# Altium PCB uz_mz_adapter.PcbDoc (part 1 of 2) (continued)
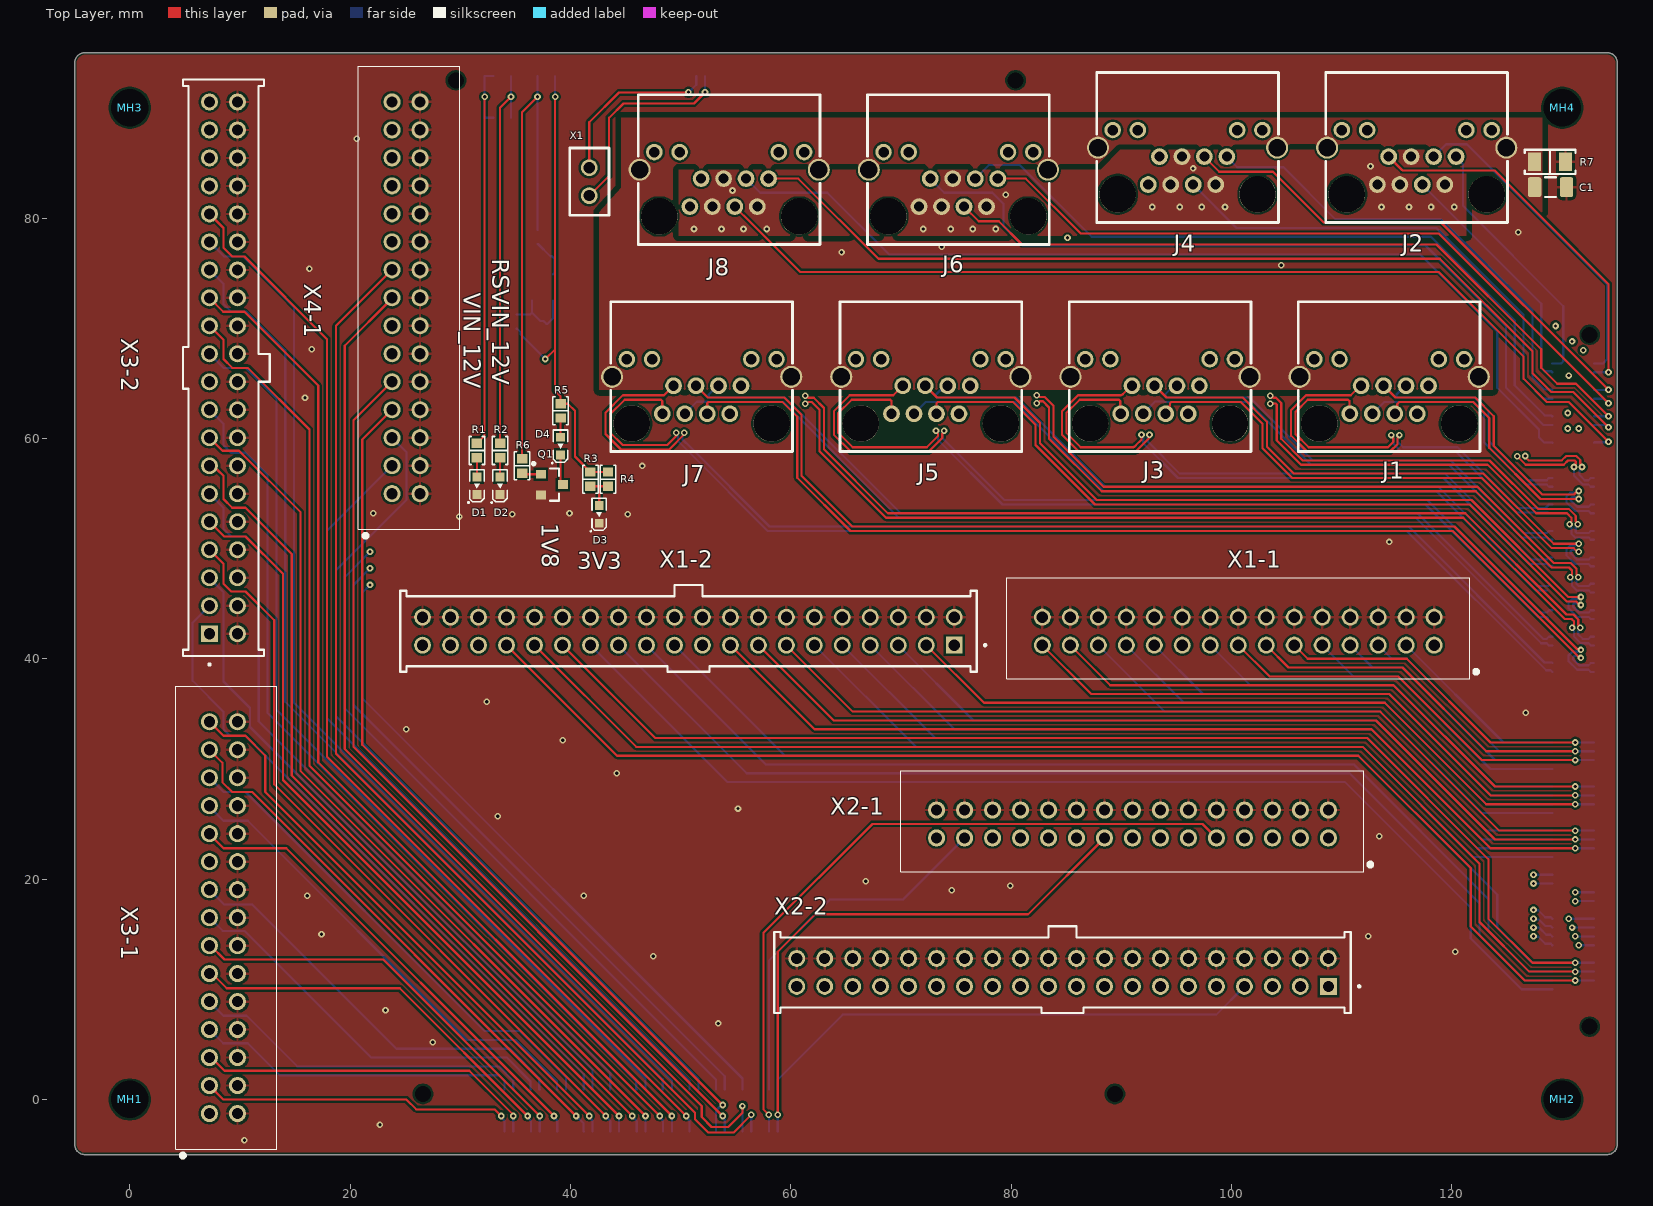
[diagram p0: Top Layer view]
## Design rules (kind name [scope] priority, off if disabled: settings) (continued)
RoutingCorners [All] p1: cornerstyle=Round minsetback=2.54 maxsetback=2.54
RoutingVias [All] p1: holewidth=0.5 width=1 viastyle="Through Hole" minholewidth=0.2 minwidth=0.45 maxholewidth=1 maxwidth=2
SilkToSilkClearance [All] p1: silktosilkclearance=0.1
SilkToSolderMaskClearance [IsPad] p1: minsilkscreentomaskgap=0.15 clearancetoexposedcopper=TRUE
SolderMaskExpansion SolderMaskExpansion_Via [IsVia] p1: expansion=0.102 istentingtop=TRUE
SolderMaskExpansion [All] p2: expansion=0.102 istentingtop=FALSE
SupplyNets "Schematic Supply Nets_2" [InNet('24V_unused2')] p1: voltage=0.000
SupplyNets "Schematic Supply Nets_1" [InNet('3V3_unused1')] p2: voltage=0.000
SupplyNets "Schematic Supply Nets" [InNet('3V3_unused2')] p3: voltage=0.000
SupplyNets "Schematic Supply Nets_30" [InNet('5V_unused1')] p4: voltage=0.000
SupplyNets "Schematic Supply Nets_29" [InNet('24V_unused3')] p5: voltage=0.000
SupplyNets "Schematic Supply Nets_28" [InNet('24V_unused6')] p6: voltage=0.000
SupplyNets "Schematic Supply Nets_27" [InNet('24V_unused4')] p7: voltage=0.000
SupplyNets "Schematic Supply Nets_26" [InNet('24V_unused7')] p8: voltage=0.000
SupplyNets "Schematic Supply Nets_24" [InNet('24V_unused5')] p9: voltage=0.000
SupplyNets "Schematic Supply Nets_23" [InNet('5V_unused3')] p10: voltage=0.000
SupplyNets "Schematic Supply Nets_22" [InNet('24V_unused1')] p11: voltage=0.000
SupplyNets "Schematic Supply Nets_15" [InNet('GND-ETH')] p12: voltage=0.000
SupplyNets "Schematic Supply Nets_11" [InNet('5V_unused2')] p13: voltage=0.000
SupplyNets "Schematic Supply Nets_21" [InNet('1V8')] p14: voltage=0.000
SupplyNets "Schematic Supply Nets_19" [InNet('3V3')] p15: voltage=0.000
SupplyNets "Schematic Supply Nets_18" [InNet('RSVIN_12V')] p16: voltage=0.000
SupplyNets "Schematic Supply Nets_17" [InNet('GND')] p17: voltage=0.000
SupplyNets "Schematic Supply Nets_5" [InNet('VIN_12V')] p18: voltage=0.000
SupplyNets "Schematic Supply Nets_3" [InNet('AGND')] p19: voltage=0.000
UnRoutedNet [All] p1: checkbadconnections=TRUE
Width [All] p1: maxlimit=2.54 minlimit=0.089 preferedwidth=0.2 minimp=50.000000 maximp=50.000000 favimp=50.000000
22 further rules are at their usual default settings.

## Classes and differential pairs
component class LDO: B2 C5 C6 Z6 Z7
component class ZB3: X2-1 X2-2 X3-1 X3-2 X4-1 Z3
component class ZB2: C1 J1 J2 J3 J4 J5 J6 J7 J8 R7 X1-1 X1-2 Z2
component class ZB1: D1 D2 D3 D4 MH1 MH2 MH3 MH4 Q1 R1 R2 R3 R4 R5 R6 X1 Z1
differential pair AI: +AI_P1 -AI_N1
differential pair AI: +AI_P10 -AI_N10
differential pair AI: +AI_P12 -AI_N12
differential pair AI: +AI_P14 -AI_N14
differential pair AI: +AI_P16 -AI_N16
differential pair AI: +AI_P15 -AI_N15
differential pair AI: +AI_P13 -AI_N13
differential pair AI: +AI_P11 -AI_N11
differential pair AI: +AI_P9 -AI_N9
differential pair AI: +AI_P4 -AI_N4
differential pair AI: +AI_P5 -AI_N5
differential pair AI: +AI_P6 -AI_N6
differential pair AI: +AI_P8 -AI_N8
differential pair AI: +AI_P7 -AI_N7
differential pair AI: +AI_P3 -AI_N3
differential pair AI: +AI_P2 -AI_N2

## Components (designator, comment, footprint, x,y, rotation, side; value= is the part's Value field where it differs from the comment)
B2 "1.8 V" SOT23-5_L 37.45,73.7 r90 bottom
C1 "100 pF" C_1206_TE 128.95,82.8 r90 top
C5 "1 µF" C_0603 37.8,69.7 r90 bottom
C6 "10 u" C_0603_TE 37.8,76.2 r90 bottom
D1 "150060BS84000" WL-SMCW_0603 31.5,55.7 r90 top
D2 "NCD0603W1" WL-SMCW_0603 33.6,55.7 r90 top
D3 "FC-DA1608HOK-600H" WL-SMCW_0603 42.6,53.1 r90 top
D4 "150060YS75000" WL-SMCW_0603 39.1,59.3 r90 top value="LED Yellow"
J1 "RJHSE-3381" RJ45-TH_RJHSE-3381 114.3,65.6 r0 top locked
J2 "RJHSE-3381" RJ45-TH_RJHSE-3381 116.8,86.4 r0 top locked
J3 "RJHSE-3381" RJ45-TH_RJHSE-3381 93.505,65.6 r0 top locked
J4 "RJHSE-3381" RJ45-TH_RJHSE-3381 96,86.4 r0 top locked
J5 "RJHSE-3381" RJ45-TH_RJHSE-3381 72.7,65.6 r0 top locked
J6 "RJHSE-3381" RJ45-TH_RJHSE-3381 75.2,84.4 r0 top locked
J7 "RJHSE-3381" RJ45-TH_RJHSE-3381 51.9,65.6 r0 top locked
J8 "RJHSE-3381" RJ45-TH_RJHSE-3381 54.4,84.4 r0 top locked
MH1 "Mounting Hole M3" MH_3.4 0,0 r90 top locked value="Mounting Hole"
MH2 "Mounting Hole M3" MH_3.4 130,0 r90 top locked value="Mounting Hole"
MH3 "Mounting Hole M3" MH_3.4 0,90 r90 top locked value="Mounting Hole"
MH4 "Mounting Hole M3" MH_3.4 130,90 r90 top locked value="Mounting Hole"
Q1 "SBC846BLT3G" SOT-23-3_ONSC 38.3,55.8 r0 top value="65 V"
R1 "4k3" "RES 0603_1608" 31.5,58.9 r90 top
R2 "20k" "RES 0603_1608" 33.6,58.9 r90 top
R3 "1k" "RES 0603_1608" 41.8,56.3 r90 top
R4 "1k" "RES 0603_1608" 43.4,56.3 r90 top
R5 "470R" "RES 0603_1608" 39.1,62.5 r90 top
R6 "4k3" "RES 0603_1608" 35.6,57.5 r90 top
R7 "1M" "RES 1206_3216" 128.9,85.1 r0 top
X1 "TSW-102-07-L-S" TSW-102-XX-XXX-S 41.7,83.3 r270 top
X1-1 "IPL1-115-01-L-D-K" IPL1-115-01-YYY-D-K 100.6,42.5 r180 top locked
X1-2 "IPL1-120-01-L-D-K" SAMTEC_IPL1-120-01-X-D-K 50.7,42.5 r180 top locked
X2-1 "IPL1-115-01-L-D-K" IPL1-115-01-YYY-D-K 91,25 r180 top locked
X2-2 "IPL1-120-01-L-D-K" SAMTEC_IPL1-120-01-X-D-K 84.65,11.53 r180 top locked
X3-1 "IPL1-115-01-L-D-K" IPL1-115-01-YYY-D-K 8.5,16.5 r90 top locked
X3-2 "IPL1-120-01-L-D-K" SAMTEC_IPL1-120-01-X-D-K 8.5,66.4 r90 top locked
X4-1 "IPL1-115-01-L-D-K" IPL1-115-01-YYY-D-K 25.07,72.76 r90 top locked
Z1 "ERM8-060-02.0-L-DV-TR" ERM8-060-02.0-L-DV 55,91 r0 bottom locked
Z2 "ERM8-075-02.0-L-DV-TR" ERM8-075-02.0-L-DV 131,38 r270 bottom locked
Z3 "ERM8-075-02.0-L-DV-TR" ERM8-075-02.0-L-DV 58,-1 r0 bottom locked
Z6 "0R" "RES 0603_1608" 35.1,70.6 r270 bottom
Z7 "0R" "RES 0603_1608" 37,78.3 r270 bottom

## Footprints (in the part's own frame and the unit in brackets; to place one, negate y for a bottom-side part, rotate by r counter-clockwise, add the part's x,y. Pads: shape width x height; smd on the part's side, far side on the other; paste and mask are expansions set on the pad)
C_0603 [mm] "Chip Capacitor, Body 1.6x0.8mm, Height 1.0mm, IPC High Density"
  rect 0.7x0.9 smd: 1(-0.7,0) 2(0.7,0)
  silkscreen extent -0.05,-0.35 0.05,0.35, body extent -0.87,-0.47 0.88,0.48, height 1
C_0603_TE [mm] "Vishay VJ0603 1.6 x 0.8 (+0.15/-0.1) 0.4 +/- 0,15mm Kontakte"
  rrect33% 0.88x0.71 smd: 1(0,0.77) 2(0,-0.77)
  body extent -0.4,-0.8 0.4,0.8, height 1
C_1206_TE [mm]
  rrect33% 1.82x1.21 smd: 1(0,1.45) 2(0,-1.45)
  silkscreen extent -0.9,-0.5 0.9,0.5, body extent -0.81,-1.6 0.81,1.6, height 1.82
ERM8-060-02.0-L-DV [mm]
  rrect33% 0.5x1.1 smd: 1(-23.6,1.9) 2(-23.6,-1.9) 3(-22.8,1.9) 4(-22.8,-1.9) 5(-22,1.9) 6(-22,-1.9) 7(-21.2,1.9) 8(-21.2,-1.9) 9(-20.4,1.9) 10(-20.4,-1.9) 11(-19.6,1.9) 12(-19.6,-1.9) 13(-18.8,1.9) 14(-18.8,-1.9) 15(-18,1.9) 16(-18,-1.9) 17(-17.2,1.9) 18(-17.2,-1.9) 19(-16.4,1.9) 20(-16.4,-1.9) 21(-15.6,1.9) 22(-15.6,-1.9) 23(-14.8,1.9) 24(-14.8,-1.9) 25(-14,1.9) 26(-14,-1.9) 27(-13.2,1.9) 28(-13.2,-1.9) 29(-12.4,1.9) 30(-12.4,-1.9) 31(-11.6,1.9) 32(-11.6,-1.9) 33(-10.8,1.9) 34(-10.8,-1.9) 35(-10,1.9) 36(-10,-1.9) 37(-9.2,1.9) 38(-9.2,-1.9) 39(-8.4,1.9) 40(-8.4,-1.9) 41(-7.6,1.9) 42(-7.6,-1.9) 43(-6.8,1.9) 44(-6.8,-1.9) 45(-6,1.9) 46(-6,-1.9) 47(-5.2,1.9) 48(-5.2,-1.9) 49(-4.4,1.9) 50(-4.4,-1.9) 51(-3.6,1.9) 52(-3.6,-1.9) 53(-2.8,1.9) 54(-2.8,-1.9) 55(-2,1.9) 56(-2,-1.9) 57(-1.2,1.9) 58(-1.2,-1.9) 59(-0.4,1.9) 60(-0.4,-1.9) 61(0.4,1.9) 62(0.4,-1.9) 63(1.2,1.9) 64(1.2,-1.9) 65(2,1.9) 66(2,-1.9) 67(2.8,1.9) 68(2.8,-1.9) 69(3.6,1.9) 70(3.6,-1.9) 71(4.4,1.9) 72(4.4,-1.9) 73(5.2,1.9) 74(5.2,-1.9) 75(6,1.9) 76(6,-1.9) 77(6.8,1.9) 78(6.8,-1.9) 79(7.6,1.9) 80(7.6,-1.9) 81(8.4,1.9) 82(8.4,-1.9) 83(9.2,1.9) 84(9.2,-1.9) 85(10,1.9) 86(10,-1.9) 87(10.8,1.9) 88(10.8,-1.9) 89(11.6,1.9) 90(11.6,-1.9) 91(12.4,1.9) 92(12.4,-1.9) 93(13.2,1.9) 94(13.2,-1.9) 95(14,1.9) 96(14,-1.9) 97(14.8,1.9) 98(14.8,-1.9) 99(15.6,1.9) 100(15.6,-1.9) 101(16.4,1.9) 102(16.4,-1.9) 103(17.2,1.9) 104(17.2,-1.9) 105(18,1.9) 106(18,-1.9) 107(18.8,1.9) 108(18.8,-1.9) 109(19.6,1.9) 110(19.6,-1.9) 111(20.4,1.9) 112(20.4,-1.9) 113(21.2,1.9) 114(21.2,-1.9) 115(22,1.9) 116(22,-1.9) 117(22.8,1.9) 118(22.8,-1.9) 119(23.6,1.9) 120(23.6,-1.9)
  round 0 hole 1.45 unplated: H1(-25.4,-1.5) H2(25.4,-1.5)
  silkscreen extent -27,-2.8 27,3.5, body extent -27,-2.8 27,2.8, height 5.96
ERM8-075-02.0-L-DV [mm]
  rrect33% 0.5x1.1 smd: 1(-29.6,1.9) 2(-29.6,-1.9) 3(-28.8,1.9) 4(-28.8,-1.9) 5(-28,1.9) 6(-28,-1.9) 7(-27.2,1.9) 8(-27.2,-1.9) 9(-26.4,1.9) 10(-26.4,-1.9) 11(-25.6,1.9) 12(-25.6,-1.9) 13(-24.8,1.9) 14(-24.8,-1.9) 15(-24,1.9) 16(-24,-1.9) 17(-23.2,1.9) 18(-23.2,-1.9) 19(-22.4,1.9) 20(-22.4,-1.9) 21(-21.6,1.9) 22(-21.6,-1.9) 23(-20.8,1.9) 24(-20.8,-1.9) 25(-20,1.9) 26(-20,-1.9) 27(-19.2,1.9) 28(-19.2,-1.9) 29(-18.4,1.9) 30(-18.4,-1.9) 31(-17.6,1.9) 32(-17.6,-1.9) 33(-16.8,1.9) 34(-16.8,-1.9) 35(-16,1.9) 36(-16,-1.9) 37(-15.2,1.9) 38(-15.2,-1.9) 39(-14.4,1.9) 40(-14.4,-1.9) 41(-13.6,1.9) 42(-13.6,-1.9) 43(-12.8,1.9) 44(-12.8,-1.9) 45(-12,1.9) 46(-12,-1.9) 47(-11.2,1.9) 48(-11.2,-1.9) 49(-10.4,1.9) 50(-10.4,-1.9) 51(-9.6,1.9) 52(-9.6,-1.9) 53(-8.8,1.9) 54(-8.8,-1.9) 55(-8,1.9) 56(-8,-1.9) 57(-7.2,1.9) 58(-7.2,-1.9) 59(-6.4,1.9) 60(-6.4,-1.9) 61(-5.6,1.9) 62(-5.6,-1.9) 63(-4.8,1.9) 64(-4.8,-1.9) 65(-4,1.9) 66(-4,-1.9) 67(-3.2,1.9) 68(-3.2,-1.9) 69(-2.4,1.9) 70(-2.4,-1.9) 71(-1.6,1.9) 72(-1.6,-1.9) 73(-0.8,1.9) 74(-0.8,-1.9) 75(0,1.9) 76(0,-1.9) 77(0.8,1.9) 78(0.8,-1.9) 79(1.6,1.9) 80(1.6,-1.9) 81(2.4,1.9) 82(2.4,-1.9) 83(3.2,1.9) 84(3.2,-1.9) 85(4,1.9) 86(4,-1.9) 87(4.8,1.9) 88(4.8,-1.9) 89(5.6,1.9) 90(5.6,-1.9) 91(6.4,1.9) 92(6.4,-1.9) 93(7.2,1.9) 94(7.2,-1.9) 95(8,1.9) 96(8,-1.9) 97(8.8,1.9) 98(8.8,-1.9) 99(9.6,1.9) 100(9.6,-1.9) 101(10.4,1.9) 102(10.4,-1.9) 103(11.2,1.9) 104(11.2,-1.9) 105(12,1.9) 106(12,-1.9) 107(12.8,1.9) 108(12.8,-1.9) 109(13.6,1.9) 110(13.6,-1.9) 111(14.4,1.9) 112(14.4,-1.9) 113(15.2,1.9) 114(15.2,-1.9) 115(16,1.9) 116(16,-1.9) 117(16.8,1.9) 118(16.8,-1.9) 119(17.6,1.9) 120(17.6,-1.9) 121(18.4,1.9) 122(18.4,-1.9) 123(19.2,1.9) 124(19.2,-1.9) 125(20,1.9) 126(20,-1.9) 127(20.8,1.9) 128(20.8,-1.9) 129(21.6,1.9) 130(21.6,-1.9) 131(22.4,1.9) 132(22.4,-1.9) 133(23.2,1.9) 134(23.2,-1.9) 135(24,1.9) 136(24,-1.9) 137(24.8,1.9) 138(24.8,-1.9) 139(25.6,1.9) 140(25.6,-1.9) 141(26.4,1.9) 142(26.4,-1.9) 143(27.2,1.9) 144(27.2,-1.9) 145(28,1.9) 146(28,-1.9) 147(28.8,1.9) 148(28.8,-1.9) 149(29.6,1.9) 150(29.6,-1.9)
  round 0 hole 1.45 unplated: H1(-31.4,-1.5) H2(31.4,-1.5)
  silkscreen extent -33,-2.8 33,3.25, body extent -33,-2.8 33,2.8, height 5.96
IPL1-115-01-YYY-D-K [mm]
  round 1.55 hole 1.02: 1(-17.78,1.27) 2(-15.24,1.27) 3(-12.7,1.27) 4(-10.16,1.27) 5(-7.62,1.27) 6(-5.08,1.27) 7(-2.54,1.27) 8(0,1.27) 9(2.54,1.27) 10(5.08,1.27) 11(7.62,1.27) 12(10.16,1.27) 13(12.7,1.27) 14(15.24,1.27) 15(17.78,1.27) 16(-17.78,-1.27) 17(-15.24,-1.27) 18(-12.7,-1.27) 19(-10.16,-1.27) 20(-7.62,-1.27) 21(-5.08,-1.27) 22(-2.54,-1.27) 23(0,-1.27) 24(2.54,-1.27) 25(5.08,-1.27) 26(7.62,-1.27) 27(10.16,-1.27) 28(12.7,-1.27) 29(15.24,-1.27) 30(17.78,-1.27)
  silkscreen extent -21.69,-4.85 21.01,4.32, body extent -19.81,-4.19 19.81,3.68, height 8.13
MH_3.4 [mm]
  round 3.1 hole 3.4 unplated: 1(0,0)
"RES 0603_1608" [mm] "Chip Resistor, 2-Leads, Body 1.60x0.80mm, IPC Medium Density"
  rect 0.85x0.95 smd: 1(-0.65,0) 2(0.65,0)
  silkscreen extent -1.27,-0.7 1.27,0.7, body extent -0.8,-0.4 0.8,0.4, height 0.45
"RES 1206_3216" [mm] "Chip Resistor, 2-Leads, Body 3.13x1.55mm, IPC Medium Density"
  rect 1.2x1.65 smd: 1(-1.4,0) 2(1.4,0)
  silkscreen extent -2.3,-1.1 2.3,1.1, body extent -1.6,-0.8 1.6,0.8, height 0.6
RJ45-TH_RJHSE-3381 [mm]
  round 1.524 hole 0.914 paste-2539.97 mask+0.05: 1(3.57,-0.825) 2(2.55,-3.365) 3(1.53,-0.825) 4(0.51,-3.365) 5(-0.51,-0.825) 6(-1.53,-3.365) 7(-2.55,-0.825) 8(-3.57,-3.365)
  round 1.5 hole 0.95 paste-2539.97 mask+0.05: 9(6.795,1.585) 10(4.505,1.585) 11(-4.505,1.585) 12(-6.795,1.585)
  round 2 hole 1.6 paste-2539.97 mask+0.05: Shell(-8.13,-0.015) Shell(8.13,-0.015)
  round 3.3 hole 3.3 unplated paste-2539.97: ""(-6.35,-4.255) ""(6.35,-4.255)
  silkscreen extent -8.25,-6.79 8.25,6.79
SAMTEC_IPL1-120-01-X-D-K [mm]
  rect 1.53x1.53 hole 1.02: 1(-24.13,1.27)
  round 1.53 hole 1.02: 2(-21.59,1.27) 3(-19.05,1.27) 4(-16.51,1.27) 5(-13.97,1.27) 6(-11.43,1.27) 7(-8.89,1.27) 8(-6.35,1.27) 9(-3.81,1.27) 10(-1.27,1.27) 11(1.27,1.27) 12(3.81,1.27) 13(6.35,1.27) 14(8.89,1.27) 15(11.43,1.27) 16(13.97,1.27) 17(16.51,1.27) 18(19.05,1.27) 19(21.59,1.27) 20(24.13,1.27) 21(-24.13,-1.27) 22(-21.59,-1.27) 23(-19.05,-1.27) 24(-16.51,-1.27) 25(-13.97,-1.27) 26(-11.43,-1.27) 27(-8.89,-1.27) 28(-6.35,-1.27) 29(-3.81,-1.27) 30(-1.27,-1.27) 31(1.27,-1.27) 32(3.81,-1.27) 33(6.35,-1.27) 34(8.89,-1.27) 35(11.43,-1.27) 36(13.97,-1.27) 37(16.51,-1.27) 38(19.05,-1.27) 39(21.59,-1.27) 40(24.13,-1.27)
  silkscreen extent -27.02,-4.2 26.16,3.67, body extent -26.16,-4.19 26.16,3.68, height 8.13
SOT23-5_L [mm] "SOT23, 5-Leads, Body 2.9x1.6mm, Pitch 0.95mm, Lead Span 2.8mm, IPC High Density"
  rect 0.9x0.65 smd: 1(-1.2,0.95) 2(-1.2,0) 3(-1.2,-0.95) 4(1.2,-0.95) 5(1.2,0.95)
  silkscreen extent -1.32,-1.5 0.35,1.95, body extent -0.87,-1.5 0.87,1.5, height 1.45
SOT-23-3_ONSC [mm] "SOT23, 3-Leads, Body 2.92x1.3mm, Pitch 0.95mm"
  rect 0.9x0.8 smd: 1(-1,0.95) 2(-1,-0.95) 3(1,0)
  silkscreen extent -1.77,-1.46 0.65,2.03, body extent -0.65,-1.46 0.65,1.46, height 1.11
TSW-102-XX-XXX-S [mil]
  round 60 hole 40 mask+3: 1(-50,0) 2(50,0)
  silkscreen extent -120,-70 120,70, body extent -105,-50 100,50, height 330
WL-SMCW_0603 [mm] "SMD Mono-color Chip LED, body 1.6x0.8mm"
  rect 0.8x0.8 smd: 1(-0.8,0) 2(0.8,0)
  silkscreen extent -1.59,-0.65 1.45,0.83, body extent -0.8,-0.4 0.8,0.4, height 0.7

## Part data
B2: library part TPS7A2018PDBVR, "300mA, ultra-low noise, LDO, 1V6 < Vin < 6V, 0.8V < Vout < 5V5", Device Package=SOT-23-5L, LCSC Part Number=C963430, Manufacturer="Texas Instruments", Mouser Part Number=595-TPS7A2018PDBVR, Operating Temperature="-40 to +125 °C", Component Type=LDO, ComponentLink1Description=Datasheet, ComponentLink1URL=https://www.ti.com/lit/ds/symlink/tps7a20.pdf, Created from=RWeimer, Created On="29.05.2026 15:18:52", Datasheet Link=https://datasheet.datasheetarchive.com/originals/distributors/Datasheets_SAMA/e65d9d311cedf91014769949f3101225.pdf, Geometry.Height=1.45mm, Last Updated="29.05.2026 15:18:52", Live Cycle Status=1, Manufacturer Part Number=TPS7A2018PDBVR, Manufacturer_Name="Texas Instruments", Manufacturer_Part_Number=TPS7A2018PDBVR, Mounting Type=SMD, Mouser Price/Stock=https://www.mouser.co.uk/ProductDetail/Texas-Instruments/TPS7A2018PDBVR?qs=hd1VzrDQEGheW9qdrIVGew%3D%3D, PartID=28, Series=TPS7A20, Stock number="not stored", Supplier 1=Mouser, Supplier 2=LCSC, Supplier Part Number 1=595-TPS7A2018PDBVR, Supplier Part Number 2=C963430, Type=LDO
C1: library part CC1206JKNPODBN101, "2kV 100pF NP0 ±5% 1206 Multilayer Ceramic Capacitors MLCC - SMD/SMT ROHS", Device Package=1206, LCSC Part Number=C113876, Manufacturer=YAGEO, Operating Temperature="-55 to +125°C", Tolerance="5 %", Voltage Rating="2000 VDC", Component Type="Capacitor 1206", ComponentLink1Description=Datasheet, ComponentLink1URL=https://datasheet.lcsc.com/lcsc/2108131530_YAGEO-CC1206JKNPODBN101_C113876.pdf, Created from=AGeiger, Created On="02.12.2022 11:59:53", Last Updated="22.04.2025 15:53:45", Live Cycle Status=1, Manufacturer Part Number=CC1206JKNPODBN101, Mounting Type=SMD, PartID=115, Series=NP0, Supplier 1=LCSC, Supplier Part Number 1=C113876, Type=Capacitor
C5: library part C0603C105K3RAC7411, "Capacitor 0603, 25 VDC, 1 µF, X7R", Device Package=0603, LCSC Part Number=C2177372, Manufacturer=KEMET, Operating Temperature="-55 - 125°C", Supplier Part Number 1=80-C0603C105K3RLR, Tolerance="10 %", Voltage Rating="25 VDC", Component Type="Capacitor 0603", ComponentLink1Description=Datasheet, ComponentLink1URL=https://www.mouser.de/datasheet/2/212/KEM_C1002_X7R_SMD-1102033.pdf, Created from=MGremer, Created On="20.12.2020 13:54:13", Last Updated="03.06.2026 10:02:26", Live Cycle Status=1, Manufacturer Part Number=C0603C105K3RAC7411, Mounting Type=SMD, PartID=4, Series="SMD Comm X7R", Stock number="Labor SMD Container", Supplier 1=Mouser, Supplier 2=LCSC, Supplier Part Number 2=C2177372, Type=Capacitor
C6: library part HGC0603R5106K350NTHJ, "10uF 35V X5R ±10% 0603 Multilayer Ceramic Capacitors MLCC", Device Package=0603, LCSC Part Number=C22367826, Manufacturer=Chinocera, Operating Temperature="-55 to + 85°C", Tolerance="10 %", Voltage Rating="35 V", Component Type="Capacitor 0603", ComponentLink1Description=Datasheet, ComponentLink1URL=https://www.lcsc.com/datasheet/C22367826.pdf, Created from=RWeimer, Created On="22.06.2026 13:41:26", Last Updated="22.06.2026 13:41:26", Live Cycle Status=1, Manufacturer Part Number=HGC0603R5106K350NTHJ, Mounting Type=SMD, PartID=513, Series=X5R, Supplier 1=LCSC, Supplier Part Number 1=C22367826, Type=Capacitor
D1: "WL-SMCW SMD Mono-color Chip LED Waterclear Blue", Color=blue, Device Package=0603, Forward Current I_f="20 mA", Forward Voltage U_f="3.2 V", LCSC Part Number=C5197644, Manufacturer="Wuerth Elektronik", Nominal Power="78 mW", Operating Temperature="-40 - 85 °C", Supplier Part Number 1=710-150060BS84000, Component Type="LED Diode", ComponentLink1Description=Datasheet, ComponentLink1URL=https://www.we-online.com/components/products/datasheet/150060BS75000.pdf, Created from=MGremer, Created On="08.12.2020 10:19:38", Last Updated="22.04.2026 11:55:05", Light Intensity="560 mcd", Live Cycle Status=1, Manufacturer Part Number=150060BS84000, Mounting Type=SMD, PartID=1, Stock number="not stored", Supplier 1=Mouser, Supplier 2=Farnell, Supplier 3=Digi-Key, Supplier Part Number 2=3408611, Supplier Part Number 3=732-150060BS84000CT-ND, Type=Standard, Wavelength="470 nm"
D2: "White light 0603 Light Emitting Diodes (LED) ROHS", Color=white, Device Package=0603, Forward Current I_f="20 mA", Forward Voltage U_f="2.8 V", LCSC Part Number=C84265, Manufacturer="Foshan NationStar Optoelectronics", Nominal Power="72 mW", Operating Temperature="-40 - 85 °C", Component Type="LED Diode", ComponentLink1Description=Datasheet, ComponentLink1URL=https://www.lcsc.com/datasheet/C84265.pdf, Created from=NDiringer, Created On="03.05.2022 13:11:03", Last Updated="22.04.2026 11:55:05", Light Intensity="250 mcd", Live Cycle Status=1, Manufacturer Part Number=NCD0603W1, Mounting Type=SMD, PartID=13, Stock number="not stored", Supplier 1=LCSC, Supplier Part Number 1=C84265, Type=Standard
D3: "LED ORANGE 600~610NM 80~220MCD@20MA TOP VIEW 0603 ROHS", Color=amber, Device Package=0603, Forward Current I_f="20 mA", Forward Voltage U_f="2 V", LCSC Part Number=C84269, Manufacturer="Foshan NationStar Optoelectronics", Nominal Power="40 mW", Operating Temperature="-40 - 85 °C", Component Type="LED Diode", ComponentLink1Description=Datasheet, ComponentLink1URL=https://www.lcsc.com/datasheet/C84269.pdf, Created from="T. Wendt", Created On="03.03.2021 09:59:51", Last Updated="22.04.2026 11:55:05", Light Intensity="150 mcd", Live Cycle Status=1, Manufacturer Part Number=FC-DA1608HOK-600H, Mounting Type=SMD, PartID=10, Stock number="not stored", Supplier 1=LCSC, Supplier Part Number 1=C84269, Type=Standard, Wavelength="604 nm"
D4: "LED Yellow 20mA 2V 0603", Color=yellow, Device Package=0603, Forward Current I_f="20 mA", Forward Voltage U_f="2 V", LCSC Part Number=C6784997, Manufacturer="Wuerth Elektronik", Operating Temperature="-40 to +85 °C", Component Type="LED Diode", ComponentLink1Description=Datasheet, ComponentLink1URL=https://www.we-online.com/components/products/datasheet/150060YS75000.pdf, Created from=RWeimer, Created On="03.06.2026 10:18:01", Last Updated="03.06.2026 10:18:43", Live Cycle Status=1, Manufacturer Part Number=150060YS75000, Mounting Type=SMD, PartID=37, Stock number="not stored", Supplier 1=LCSC, Supplier Part Number 1=C6784997, Type=Standard, Wavelength="590 nm"
J1 J2 J3 J4 J5 J6 J7 J8: "CAT5, RJ45 Connector, 1 port, vertical", Device Package=RJ45, LCSC Part Number=C599439, Manufacturer=Amphenol, Supplier Part Number 1=523-RJHSE-3381, Component Type="RJ45 Connector", ComponentLink1Description=Datasheet, ComponentLink1URL=https://cdn.amphenol-cs.com/media/wysiwyg/files/drawing/rjhse338x.pdf, Created from=RWeimer, Created On="29.07.2026 12:34:57", Last Updated="29.07.2026 12:34:57", Live Cycle Status=1, Manufacturer Part Number=RJHSE-3381, Mounting Type=THT, PartID=14, Series=RJHSE, Stock number="not stored", Supplier 1=Mouser, Supplier 2=LCSC, Supplier Part Number 2=C599439, Type="RJ45 Connector"
MH1 MH2 MH3 MH4: library part "Mounting Hole", "Mounting Hole", Device Package=-, Component Type="Mounting Hole", ComponentLink1Description=Datasheet, Created from=MHlatky, Created On="26.01.2021 09:19:51", Last Updated="21.03.2022 23:05:12", Live Cycle Status=1, Manufacturer="Mounting Hole", Manufacturer Part Number="Mounting Hole M3", PartID=16, Stock number="not stored", Supplier 1="Mounting Hole", Supplier Part Number 1="Mounting Hole", Type="Mounting Hole"
Q1: "Bipolartransistor, NPN 100mA 80V", Collector Basis Voltage="80 V", Collector Emitter Voltage="65 V", Device Package=SOT-23-3, LCSC Part Number=C896883, Manufacturer=onsemi, Operating Temperature="-55 - +150°C", Power Dissipation="225 mW", Supplier Part Number 1=863-SBC846BLT3G, Component Type=Bipolartransistor, ComponentLink1Description=Datasheet, ComponentLink1URL=https://www.lcsc.com/datasheet/C896883.pdf, Created from=RWeimer, Created On="22.06.2026 10:09:39", Last Updated="22.06.2026 10:09:39", Live Cycle Status=1, Manufacturer Part Number=SBC846BLT3G, Mounting Type=SMD, Number of Channels=single, PartID=7, Polarization=NPN, Series=BC846BL, Supplier 1=Mouser, Supplier 2=LCSC, Supplier Part Number 2=C896883, Type=Bipolartransistor
R1 R6: library part RK73B1JTTD432J, "SMD resistor E24 series", Device Package=0603, LCSC Part Number=C307285, Manufacturer="KOA Speer", Supplier Part Number 1=660-RK73B1JTTD432J, Tolerance=5%, Component Type="SMD resistor", ComponentLink1Description=Datasheet, ComponentLink1URL=https://www.mouser.de/datasheet/2/219/RK73B-1825463.pdf, Created from=MGremer, Created On="14.12.2020 16:17:14", Last Updated="10.04.2026 07:56:16", Live Cycle Status=1, Manufacturer Part Number=RK73B1JTTD432J, Mounting Type=SMD, PartID=89, Stock number="Labor SMD Container", Supplier 1=Mouser, Type=Resistor
R2: library part 0603WAF2002T5E, "SMD resistor E24 series", Device Package=0603, LCSC Part Number=C4184, Manufacturer=UNI-ROYAL, Tolerance=1%, Component Type="SMD resistor", ComponentLink1Description=Datasheet, ComponentLink1URL=https://datasheet.lcsc.com/lcsc/2206010230_UNI-ROYAL-Uniroyal-Elec-0603WAF2002T5E_C4184.pdf, Created from=AGeiger, Created On="14.12.2020 16:17:14", Last Updated="25.08.2022 20:05:50", Live Cycle Status=1, Manufacturer Part Number=0603WAF2002T5E, Mounting Type=SMD, PartID=105, Stock number="Labor SMD Container", Supplier 1=LCSC, Supplier Part Number 1=C4184, Type=Resistor
R3 R4: library part 0603WAF1001T5E, "SMD resistor E24 series", Device Package=0603, LCSC Part Number=C21190, Manufacturer=UNI-ROYAL, Tolerance=1%, Component Type="SMD resistor", ComponentLink1Description=Datasheet, ComponentLink1URL=https://datasheet.lcsc.com/lcsc/2206010130_UNI-ROYAL-Uniroyal-Elec-0603WAF1001T5E_C21190.pdf, Created from=AGeiger, Created On="14.12.2020 16:17:14", Last Updated="25.08.2022 16:01:46", Live Cycle Status=1, Manufacturer Part Number=0603WAF1001T5E, Mounting Type=SMD, PartID=74, Stock number="Labor SMD Container", Supplier 1=LCSC, Supplier Part Number 1=C21190, Type=Resistor
R5: library part RK73B1JTTD471J, "SMD resistor E24 series", Device Package=0603, LCSC Part Number=C23179, Manufacturer="KOA Speer", Supplier Part Number 1=660-RK73B1JTTD471J, Tolerance=5%, Component Type="SMD resistor", ComponentLink1Description=Datasheet, ComponentLink1URL=https://www.mouser.de/datasheet/2/219/RK73B-1825463.pdf, Created from=MGremer, Created On="14.12.2020 16:17:14", Last Updated="04.03.2021 10:03:02", Live Cycle Status=1, Manufacturer Part Number=RK73B1JTTD471J, Mounting Type=SMD, PartID=66, Stock number="Labor SMD Container", Supplier 1=Mouser, Supplier 2=LCSC, Supplier Part Number 2=C23179, Type=Resistor
R7: library part 1206W4F1004T5E, "250mW Thick Film Resistors 200V ±100ppm/℃ ±1% -55℃~+155℃ 1MΩ 1206 Chip Resistor - Surface Mount ROHS", Device Package=1206, LCSC Part Number=C17927, Manufacturer=UNI-ROYAL, Tolerance=1%, Component Type="SMD resistor", ComponentLink1Description=Datasheet, ComponentLink1URL=https://datasheet.lcsc.com/lcsc/2206010145_UNI-ROYAL-Uniroyal-Elec-1206W4F1004T5E_C17927.pdf, Created from=AGeiger, Created On="02.12.2022 11:50:50", Last Updated="02.12.2022 11:50:50", Live Cycle Status=1, Manufacturer Part Number=1206W4F1004T5E, Mounting Type=SMD, PartID=248, Supplier 1=LCSC, Supplier Part Number 1=C17927, Type=Resistor
X1: "Classic PCB Header Strips, 0.100\" pitch", LCSC Part Number=C492401, Manufacturer=SAMTEC, Operating Temperature="-55 °C to +105 °C", ComponentLink1Description=Datasheet, ComponentLink1URL=https://suddendocs.samtec.com/catalog_english/tsw_th.pdf, CREATED BY="May 18, 2016 - Wendy Xin", Created from=AGeiger, Created On="26.06.2023 09:51:05", Last Updated="26.06.2023 09:53:59", Manufacturer Part Number=TSW-102-07-L-S, Mounting Type=SMD, PartID=20, PCB DECAL=TSW-102-XX-XXX-S, Series=TSW, Supplier 1=LCSC, Supplier Part Number 1=C492401
X1-1 X2-1 X3-1 X4-1: "2.54 mm Double Row Terminal Assembly", Device Package=Connector, LCSC Part Number=C17431809, Manufacturer=SAMTEC, Component Type="Samtec Connector", ComponentLink1Description=Homepage, ComponentLink1URL=https://www.samtec.com/de/products/ipl1, Created from=MGremer, Created On="01.12.2020 18:14:32", Last Updated="29.07.2026 10:31:31", Live Cycle Status=1, Manufacturer Part Number=IPL1-115-01-L-D-K, Mounting Type=THT, Number of positions=30, Number of rows=2, PartID=28, Stock number="not stored", Supplier 1=SAMTEC, Supplier Part Number 1=IPL1-115-01-L-D-K, Type=Connector
X1-2 X2-2 X3-2: "Terminal Assembly, Double Row, Thru-Hole, 2.54 mm x 2.54 mm Pitch, 40 Pins", Device Package=Connector, LCSC Part Number=C17429670, Manufacturer=SAMTEC, Component Type="Samtec Connector", ComponentLink1Description=Homepage, ComponentLink1URL=https://www.samtec.com/products/ipl1, Created from=PBaumann, Created On="24.03.2021 02:48:34", Last Updated="29.07.2026 10:32:29", Live Cycle Status=1, Manufacturer Part Number=IPL1-120-01-L-D-K, Mounting Type=THT, Number of positions=40, Number of rows=2, PartID=42, Stock number="not stored", Supplier 1=SAMTEC, Supplier Part Number 1=IPL1-120-01-L-D-K, Type=Connector
Z1: "0.80 mm Edge Rate Rugged High Speed", LCSC Part Number=C3649339, Manufacturer=SAMTEC, Operating Temperature="-55 °C to +125 °C", ComponentLink1Description=Datasheet, ComponentLink1URL=https://suddendocs.samtec.com/catalog_english/erm8.pdf, Created from=AGeiger, Created On="15.08.2025 09:35:44", Last Updated="23.09.2025 10:14:21", Manufacturer Part Number=ERM8-060-02.0-L-DV-TR, Mounting Type=SMD, PartID=61, Series=ERM8, Supplier 1=LCSC, Supplier Part Number 1=C3649339
Z2 Z3: "0.80 mm Edge Rate Rugged High Speed", LCSC Part Number=C6845629, Manufacturer=SAMTEC, Operating Temperature="-55 °C to +125 °C", ComponentLink1Description=Datasheet, ComponentLink1URL=https://suddendocs.samtec.com/catalog_english/erm8.pdf, Created from=AGeiger, Created On="15.08.2025 09:35:44", Last Updated="23.09.2025 10:14:21", Manufacturer Part Number=ERM8-075-02.0-L-DV-TR, Mounting Type=SMD, PartID=62, Series=ERM8, Supplier 1=LCSC, Supplier Part Number 1=C6845629
Z6 Z7: library part RC0603JR-070RL, "SMD resistor E24 series", Device Package=0603, LCSC Part Number=C21189, Manufacturer=YAGEO, Supplier Part Number 1=603-RC0603JR-070RL, Tolerance=5%, Component Type="SMD resistor", ComponentLink1Description=Datasheet, ComponentLink1URL=https://www.mouser.de/datasheet/2/447/PYu-RC_Group_51_RoHS_L_10-1664068.pdf, Created from=MGremer, Created On="14.12.2020 16:17:14", Last Updated="04.03.2021 09:09:42", Live Cycle Status=1, Manufacturer Part Number=RC0603JR-070RL, Mounting Type=SMD, PartID=1, Stock number="Labor SMD Container", Supplier 1=Mouser, Supplier 2=LCSC, Supplier Part Number 2=C21189, Type=Resistor

## Via types
v1: diameter 0.6, hole 0.3, Top Layer to Bottom Layer, tented both sides, 157 vias

## Nets (pads, with @x,y where several pads share a name; then routed paths per layer and width w, separated by ;. In a path a pad name is that pad's centre, name@x,y a point inside that pad or via, vN(x,y) a via of type N, cw(c..) or ccw(c..) an arc to the next point about the centre after c; other vN are vias at no path point)
1V8: R6.2 Z1.15 Z1.16 Z7.1 | length 47.5
  Top Layer w0.2: R6.2@35.6,58.15 35.6,89.6 v1(37,91)
  Bottom Layer w0.2: Z1.16@37,92.9 v1(37,91) Z1.15@37,89.1 Z7.1@37,78.95 Z7.1@37.05,78.9
3V3: R3.2 R4.2 R5.2 X3-2.10 Z1.19 Z1.20 Z6.2 | length 92.2
  Top Layer w0.2: v1(37.7,67.2) 38.6,68.1 ; v1(38.6,91) 38.6,68.1 ; R4.2@43.4,56.95 R3.2@41.8,56.95 40.4,58.349 40.4,62.5 39.757,63.143 39.107,63.143 R5.2@39.1,63.15 39.1,63.8 38.6,64.3 38.6,68.1
  Signal w0.381: X3-2.10@7.23,65.13 8.475,66.375 11.575,66.375 18.3,73.1 18.3,79.7 22.8,84.2 31.8,84.2 v1(38.6,91)
  Bottom Layer w0.2: Z6.2@35.1,69.95 35.15,69.95 35.475,69.625 35.475,69.425 v1(37.7,67.2) ; Z1.19@38.6,89.1 v1(38.6,91) Z1.20@38.6,92.9
3V3_unused1: X1-2.10
3V3_unused2: X2-2.10
5V_unused1: X1-2.20
5V_unused2: X2-2.20
5V_unused3: X3-2.20
24V_unused1: X1-1.1
24V_unused2: X1-2.1
24V_unused3: X2-1.1
24V_unused4: X2-2.1
24V_unused5: X3-1.1
24V_unused6: X3-2.1
24V_unused7: X4-1.1
AGND: J2.2 J2.5 J2.6 J2.8 J4.2 J4.5 J4.6 J6.2 J6.5 J6.6 J6.8 J8.2 J8.5 J8.6 Z2.1 Z2.2 Z2.7 Z2.8 Z2.13 Z2.14 Z2.19 Z2.20 Z2.25 Z2.26
  other v1: 130.5,60.9 131.5,60.9 130.5,62.3 130.6,65.7 131.9,68 130.9,68.8 129.4,70.2 51.2,79 53.7,79 55.7,79 57.8,79 72,79 74.5,79 76.5,79 78.6,79 92.8,81 95.3,81 97.3,81 99.4,81 113.6,81 116.1,81 118.1,81 120.2,81 79.5,82.1 54.7,82.5 96.5,84.5 112.6,84.7
AI_N1: J1.2 Z2.32 | length 21.8
  Top Layer w0.2: v1(125.915,58.386) 126.699,57.602 130.136,57.602 130.534,58 131.119,58 131.237,57.883 131.237,57.672 131.073,57.508 v1(131.073,57.4)
  Signal w0.2: J1.2@116.78,62.26 117.92,63.4 121.834,63.4 126.079,59.155 126.079,58.658 125.915,58.494 v1(125.915,58.386)
  Bottom Layer w0.2: v1(131.073,57.4) 131.073,56.611 131.884,55.8 132.4,55.8 132.6,55.6 Z2.32@132.9,55.6
AI_N2: J1.6 Z2.31 | length 21.5
  Bottom Layer w0.2: J1.6@112.77,62.235 113.841,63.306 121.929,63.306 122.9,62.334 122.9,59.634 126.734,55.8 128.084,55.8 128.6,55.8 128.8,55.6 Z2.31@129.1,55.6
AI_N3: J1.5 Z2.38 | length 28.3
  Top Layer w0.2: J1.5@113.79,64.775 114.865,63.7 122.1,63.7 123.79,62.01 123.79,59.31 128.2,54.9 131.065,54.9 131.392,55.227 v1(131.5,55.227)
  Bottom Layer w0.2: v1(131.5,55.227) 131.392,55.227 131.228,55.063 130.734,55.063 130.383,54.712 130.383,54.203 131.186,53.4 132.4,53.4 132.6,53.2 Z2.38@132.9,53.2
AI_N4: J1.8 Z2.37 | length 36.3
  Top Layer w0.2: J1.8@110.69,62.26 110.69,63.396 110.573,63.514 106.914,63.514 105.8,62.4 105.8,60.4 107,59.2 114.2,59.2 114.663,59.664 114.663,60.028 114.5,60.192 v1(114.5,60.3)
  Bottom Layer w0.2: v1(114.5,60.3) 114.5,60.192 114.663,60.028 114.663,59.534 115.398,58.8 116.5,58.8 120.334,58.8 125.851,53.283 Z2.37@128.717,53.283
AI_N5: J3.2 Z2.44 | length 45.5
  Top Layer w0.2: v1(103.5,63.131) 103.608,63.131 103.643,63.166 103.983,63.166 104.1,63.049 104.1,59.8 106.3,57.6 123.234,57.6 127.634,53.2 130.437,53.2 130.837,52.8 130.837,52.472 130.673,52.308 v1(130.673,52.2)
  Signal w0.2: J3.2@96.065,62.26 97.264,63.458 103.065,63.458 103.392,63.131 v1(103.5,63.131)
  Bottom Layer w0.2: v1(130.673,52.2) 130.673,52.092 130.836,51.929 130.836,51.351 131.188,51 132.4,51 132.6,50.8 Z2.44@132.9,50.8
AI_N6: J3.6 Z2.43 | length 42.8
  Bottom Layer w0.2: J3.6@91.92,62.26 91.985,62.26 93.071,63.346 93.897,63.346 93.931,63.312 101.488,63.312 107.2,57.6 119.734,57.6 126.334,51 128.6,51 128.8,50.8 Z2.43@129.1,50.8
AI_N7: J3.5 Z2.50 | length 50.3
  Top Layer w0.2: J3.5@92.985,64.8 94.085,63.7 101,63.7 103.2,61.5 103.2,59.266 105.666,56.8 122.866,56.8 129.228,50.438 v1@131.227,50.438
  Bottom Layer w0.2: v1(131.503,50.431) 131.395,50.431 131.231,50.268 130.734,50.268 130.383,49.916 130.383,49.403 131.186,48.6 132.4,48.6 132.6,48.4 Z2.50@132.9,48.4
AI_N8: J3.8 Z2.49 | length 59
  Top Layer w0.2: J3.8@89.89,62.235 89.89,63.396 89.773,63.514 86.214,63.514 85,62.3 85,60.5 86.3,59.2 91.051,59.2 ccw(c91.051,59.4) 91.193,59.258 91.31,59.375 ; 91.31,59.376 91.817,59.883 v1(91.817,60.323)
  Bottom Layer w0.2: v1(91.817,60.323) 91.817,60.214 91.981,60.051 91.981,59.557 95.137,56.4 119.234,56.4 127.034,48.6 128.6,48.6 128.8,48.4 Z2.49@129.1,48.4
AI_N9: J5.2 Z2.56 | length 68.2
  Top Layer w0.2: v1(82.3,63.2) 82.408,63.2 82.572,63.364 82.871,63.364 83.431,62.803 83.431,59.969 88.2,55.2 122.15,55.2 129.067,48.283 130.617,48.283 130.9,48 130.9,47.672 130.737,47.508 v1(130.737,47.4)
  Signal w0.2: J5.2@75.18,62.26 76.447,63.527 81.865,63.527 82.192,63.2 v1(82.3,63.2)
  Bottom Layer w0.2: v1(130.737,47.4) 130.737,47.292 130.9,47.128 130.9,46.634 131.334,46.2 132.4,46.2 132.6,46 Z2.56@132.9,46
AI_N10: J5.6 Z2.55 | length 64.9
  Bottom Layer w0.2: J5.6@71.195,62.26 72.232,63.297 80.303,63.297 88.4,55.2 118.6,55.2 127.6,46.2 Z2.55@128.6,46.2
AI_N11: J5.5 Z2.62 | length 73.1
  Top Layer w0.2: J5.5@72.165,64.8 73.252,63.713 80.287,63.713 82.6,61.4 82.6,59.566 87.766,54.4 121.766,54.4 130.559,45.607 131.693,45.607 v1(131.7,45.6)
  Bottom Layer w0.2: v1(131.7,45.6) 131.592,45.6 131.428,45.437 130.934,45.437 130.583,45.085 130.583,44.576 131.359,43.8 132.4,43.8 132.6,43.6 Z2.62@132.9,43.6
AI_N12: J5.8 Z2.61 | length 81.9
  Top Layer w0.2: J5.8@69.13,62.235 69.13,63.396 69.013,63.514 65.514,63.514 64.3,62.3 64.3,60.5 65.6,59.2 72.334,59.2 73.337,60.202 73.337,60.428 73.173,60.592 v1(73.173,60.7)
  Bottom Layer w0.2: v1(73.173,60.7) 73.173,60.592 73.337,60.428 73.337,59.863 79.2,54 117.6,54 127.8,43.8 128.6,43.8 Z2.61@128.717,43.683
AI_N13: J7.2 Z2.68 | length 91.4
  Top Layer w0.2: v1(61.3,63.131) 61.408,63.131 61.572,63.295 61.9,63.295 62.6,62.595 62.6,58.834 68.634,52.8 121.034,52.8 130.226,43.609 130.855,43.609 131.064,43.4 131.064,43.072 130.9,42.908 v1(130.9,42.8)
  Signal w0.2: J7.2@54.475,62.26 55.674,63.458 60.865,63.458 61.192,63.131 v1(61.3,63.131)
  Bottom Layer w0.2: v1(130.9,42.8) 130.9,42.692 131.064,42.528 131.064,42.034 131.698,41.4 132.4,41.4 132.6,41.2 Z2.68@132.9,41.2
AI_N14: J7.6 Z2.67 | length 88.3
  Bottom Layer w0.2: J7.6@50.408,62.272 51.466,63.331 52.467,63.331 52.501,63.297 59.303,63.297 69.8,52.8 116.7,52.8 128.1,41.4 128.6,41.4 128.8,41.2 Z2.67@129.1,41.2
AI_N15: J7.5 Z2.74 | length 98.1
  Top Layer w0.2: J7.5@51.365,64.8 52.452,63.713 59.387,63.713 60.967,62.133 60.967,56.599 65.566,52 120.23,52 131.354,40.877 131.623,40.877 v1(131.7,40.8)
  Bottom Layer w0.2: v1(131.7,40.8) 131.592,40.8 131.428,40.636 130.934,40.636 130.583,40.285 130.583,39.776 131.359,39 132.4,39 132.6,38.8 Z2.74@132.9,38.8
AI_N16: J7.8 Z2.73 | length 104.1
  Top Layer w0.2: J7.8@48.33,62.235 48.33,63.396 48.213,63.514 44.916,63.514 43.57,62.167 43.57,60.567 44.742,59.395 48.784,59.395 49.6,60.211 v1(49.6,60.5)
  Bottom Layer w0.2: v1(49.6,60.5) 49.6,60.392 49.764,60.228 49.764,59.734 50.715,58.783 57.898,51.6 115.9,51.6 128.55,38.95 128.95,38.95 Z2.73@129.1,38.8
AI_P1: J1.1 Z2.30 | length 20.9
  Top Layer w0.2: v1(126.652,58.395) 126.652,58.293 126.942,58.002 129.971,58.002 130.368,58.4 131.285,58.4 131.637,58.049 131.637,57.672 131.8,57.508 v1(131.8,57.4)
  Signal w0.2: J1.1@117.8,64.8 118.114,64.486 118.114,63.917 118.231,63.8 122,63.8 126.479,59.321 126.479,58.676 126.652,58.503 v1(126.652,58.395)
  Bottom Layer w0.2: v1(131.8,57.4) 131.8,57.292 131.564,57.055 131.564,56.686 132.05,56.2 132.4,56.2 132.6,56.4 Z2.30@132.9,56.4
AI_P2: J1.3 Z2.29 | length 20.3
  Bottom Layer w0.2: J1.3@115.77,64.8 114.959,63.989 114.959,63.823 115.076,63.706 122.094,63.706 123.3,62.5 123.3,59.8 126.9,56.2 128.6,56.2 128.8,56.4 Z2.29@129.1,56.4
AI_P3: J1.4 Z2.36 | length 26.2
  Top Layer w0.2: J1.4@114.75,62.26 115.029,62.539 115.029,63.118 115.211,63.3 121.934,63.3 123.39,61.844 123.39,59.144 128.034,54.5 131.499,54.5 v1(131.507,54.492)
  Bottom Layer w0.2: v1(131.507,54.492) 131.4,54.492 131.228,54.664 130.9,54.664 130.783,54.546 130.783,54.369 131.351,53.8 132.4,53.8 132.6,54 Z2.36@132.9,54
AI_P4: J1.7 Z2.35 | length 38.3
  Top Layer w0.2: J1.7@111.71,64.8 110.824,63.914 106.748,63.914 105.4,62.566 105.4,60.234 106.834,58.8 114.366,58.8 115.063,59.498 115.063,60.028 115.227,60.192 v1(115.227,60.3)
  Bottom Layer w0.2: v1(115.227,60.3) 115.227,60.192 115.063,60.028 115.063,59.7 115.563,59.2 120.5,59.2 126.017,53.683 128.483,53.683 128.8,54 Z2.35@129.1,54